# Altium PCB ANALOG_BOARD.PcbDoc
Units mm, origin at the board's own origin, x right, y up, seen from the top; angles counter-clockwise.
Board outline 70.01 x 75.81 mm, 4 copper layers (Top Layer, PWR02, GND03, Bottom Layer), stack 0.603 mm thick; 131 components, 73 nets, 376 pads, 0 vias.
Unrouted connection lines stored in the file: 253.
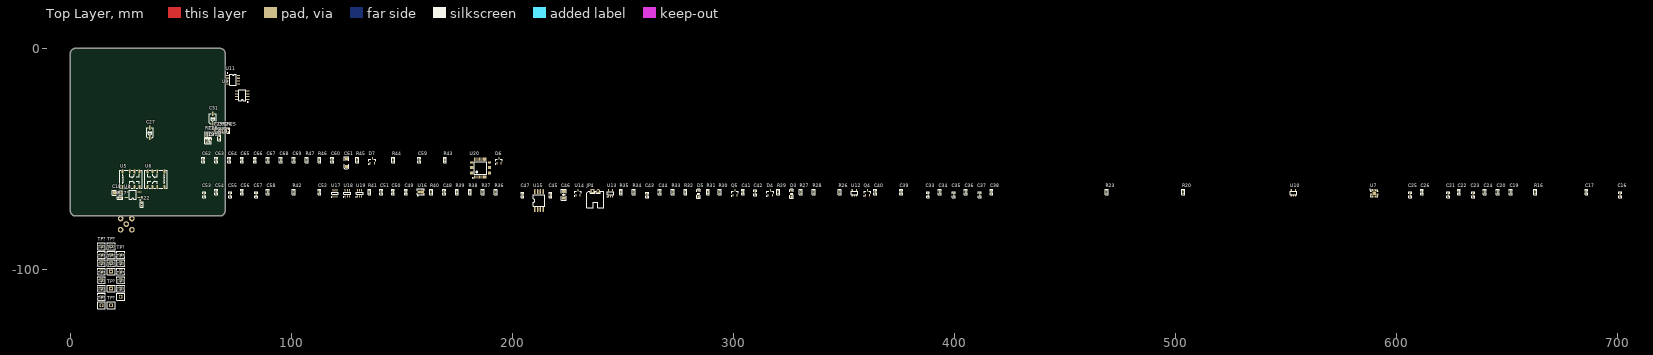
[diagram p0: Top Layer view]
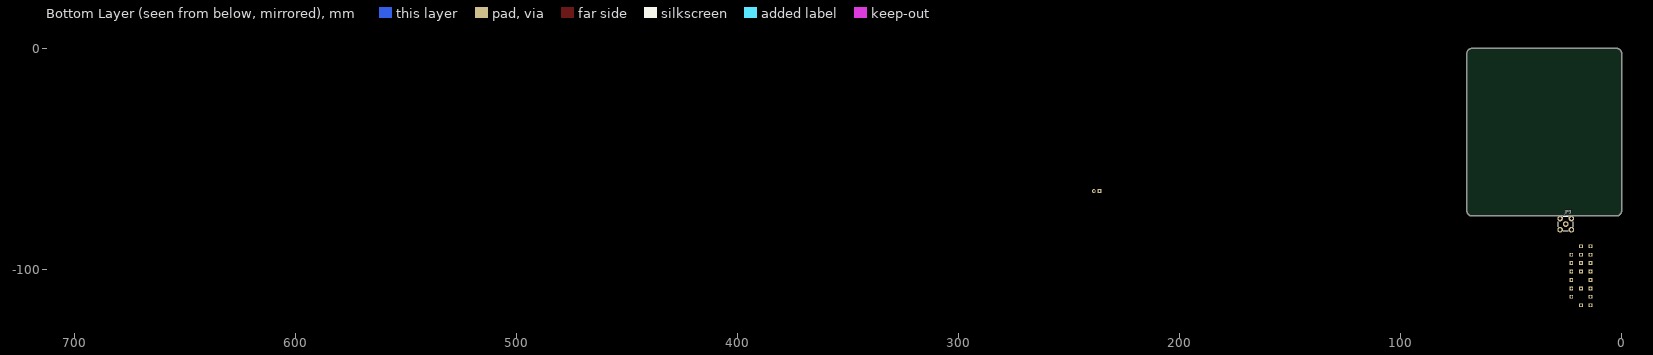
[diagram p1: Bottom Layer view, seen from below]
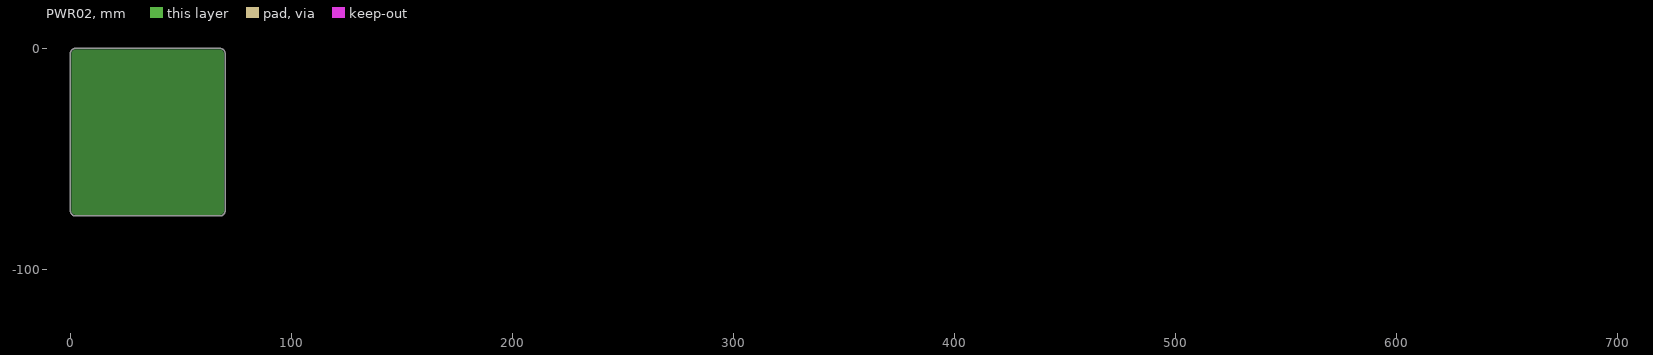
[diagram p2: PWR02, clearances drawn from the general rule]
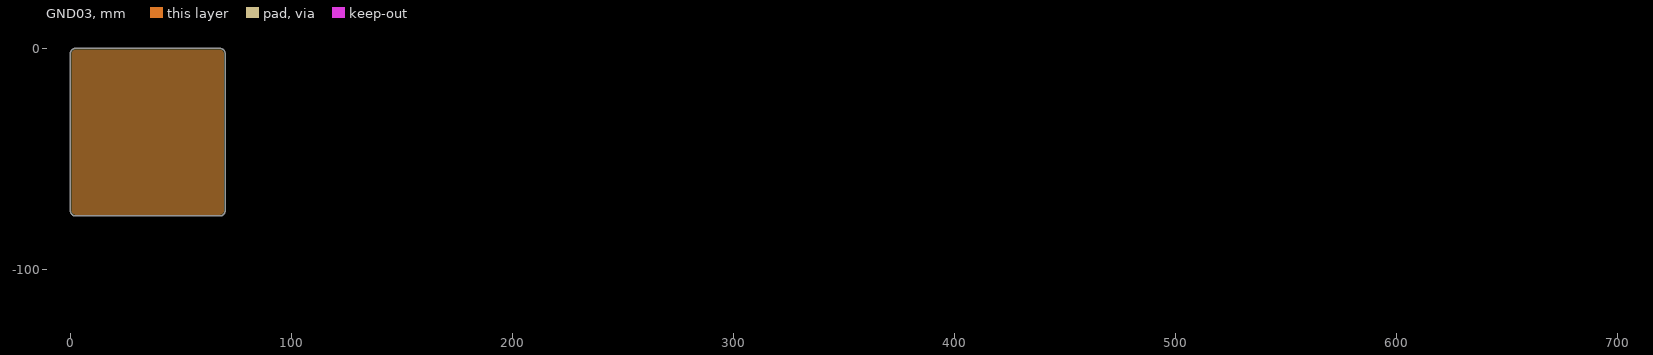
[diagram p3: GND03, clearances drawn from the general rule]

## Layer stack, top to bottom
Top Solder: solder mask 0.0102, Solder Resist, Dk 3.5
Top Layer: signal copper 0.0356
Dielectric 2: prepreg 0.0711, PP-006, Dk 4.1
PWR02: plane copper 0.035, net 5V
Dielectric 1: dielectric 0.32, FR-4, Dk 4.8
GND03: plane copper 0.035, net DGND
Dielectric 3: prepreg 0.0711, PP-006, Dk 4.1
Bottom Layer: signal copper 0.0356
Bottom Solder: solder mask 0.0102, Solder Resist, Dk 3.5

## Board outline
0,-73.514 ccw(c2.29,-73.514) 2.29,-75.804 67.718,-75.802 ccw(c67.719,-73.513) 70.008,-73.514 70.008,-2.286 ccw(c67.718,-2.286) 67.718,0.004 2.29,0 ccw(c2.288,-2.288) 0,-2.286

## Design rules (kind name [scope] priority, off if disabled: settings)
Clearance [All] p1: gap=0.127 ignorepadtopadclearanceinfootprint=FALSE
DiffPairsRouting [All] p1: maxlimit=0.381 minlimit=0.152 mostfreqgap=0.254 toplayer_minwidth=0.152 toplayer_maxwidth=0.381 toplayer_prefwidth=0.152 bottomlayer_minwidth=0.152 bottomlayer_maxwidth=0.381 bottomlayer_prefwidth=0.152 maxuncoupledlength=12.7
PlaneClearance [All] p1: clearance=0.203
PlaneConnect [All] p1: planeconnectstyle=Direct reliefexpansion=0.508 reliefentries=4 reliefconductorwidth=0.254 reliefairgap=0.254
PolygonConnect [All] p1: connectstyle=Direct reliefconductorwidth=0.254 reliefentries=4 polygonreliefangle="90 Angle" airgapwidth=0.254
RoomDefinition ANALOG_PART [InComponentClass('ANALOG_PART')] p1: confinementstyle=ConfineIn formatcopy=TRUE lockcomponents=FALSE outline 59.252,-74.333 716.096,-74.333 716.096,-46.393 59.252,-46.393
RoomDefinition AtoD_PART [InComponentClass('AtoD_PART')] p2: confinementstyle=ConfineIn formatcopy=TRUE lockcomponents=FALSE outline 59.252,-66.205 87.573,-66.205 87.573,-57.188 59.252,-57.188
RoutingVias [All] p1: holewidth=0.3 width=0.5 viastyle="Through Hole" minholewidth=0.3 minwidth=0.5 maxholewidth=0.3 maxwidth=0.5
SolderMaskExpansion [All] p1: expansion=0.102 istentingtop=FALSE
Width [All] p1: maxlimit=1.27 minlimit=0.152 preferedwidth=0.152
27 further rules are at their usual default settings.

## Classes and differential pairs
component class AtoD_PART: C59 C60 C61 C62 C63 C64 C65 C66 C67 C68 C69 D6 D7 R43 R44 R45 R46 R47 TP? U20
component class ANALOG_PART: C16 C17 C18 C19 C20 C21 C22 C23 C24 C25 C26 C27 C28 C29 C30 C31 C32 C33 C34 C35 C36 C37 C38 C39 C40 C41 C42 C43 C44 C45 C46 C47 C48 C49 C50 C51 C52 C53 C54 C55 C56 C57 C58 D3 D4 D5 JP3 JP4 Q4 Q5 R16 R17 R18 R19 R20 R21 R22 R23 R24 R25 R26 R27 R28 R29 R30 R31 R32 R33 R34 R35 R36 R37 R38 R39 R40 R41 R42 TP? U5 U6 U7 U8 U9 U10 U11 U12 U13 U14 U15 U16 U17 U18 U19
differential pair CHA: +CHA_P -CHA_N
differential pair 2CHA: +2CHA_P -2CHA_N

## Components (designator, comment, footprint, x,y, rotation, side; value= is the part's Value field where it differs from the comment)
C16 "22UF" "C 0603_L" 701.237,-66.205 r90 top
C17 "104" "C 0603_L" 685.997,-64.935 r90 top
C18 "22NF" "C 1206_L" 21.333,-65.278 r180 top
C19 "104" "C 0603_L" 651.707,-64.935 r90 top
C20 "0.1uF" "C 0603_L" 645.865,-64.935 r90 top
C21 "22UF" "C 0603_L" 623.513,-66.205 r90 top
C22 "104" "C 0603_L" 628.339,-64.935 r90 top
C23 "22UF" "C 0603_L" 634.689,-66.205 r90 top
C24 "104" "C 0603_L" 640.023,-64.935 r90 top
C25 "22UF" "C 0603_L" 606.241,-66.205 r90 top
C26 "104" "C 0603_L" 611.575,-64.935 r90 top
C27 "2-6P" RC-SMD 35.941,-38.227 r90 top
C28 "15PF" "C 0603_L" 62.992,-38.989 r90 top
C29 "360P" "C 0603_L" 65.374,-37.146 r90 top
C30 "360P" "C 0603_L" 62.992,-41.91 r90 top
C31 "20P" RC-SMD 64.389,-31.885 r90 top
C32 "15PF" "C 0603_L" 67.385,-37.146 r90 top
C33 "22UF" "C 0603_L" 388.055,-66.205 r90 top
C34 "104" "C 0603_L" 393.389,-64.935 r90 top
C35 "22UF" "C 0603_L" 399.739,-66.205 r90 top
C36 "104" "C 0603_L" 405.073,-64.935 r90 top
C37 "22UF" "C 0603_L" 411.423,-66.205 r90 top
C38 "104" "C 0603_L" 416.757,-64.935 r90 top
C39 "0.1uF" "C 0603_L" 375.863,-64.935 r90 top
C40 "0.1uF" "C 0603_L" 364.179,-64.935 r90 top
C41 "0.1uF" "C 0603_L" 304.362,-64.935 r90 top
C42 "22UF" "C 0603_L" 309.95,-65.316 r90 top
C43 "22uF" "C 0603_L" 261.055,-66.332 r90 top
C44 "104" "C 0603_L" 266.643,-64.935 r90 top
C45 "10uF" "C 0603_L" 217.24,-66.332 r90 top
C46 "10uF" "C 1206_L" 223.209,-66.205 r90 top
C47 "47uF" "C 0603_L" 204.54,-66.332 r90 top
C48 "2.2uF" "C 0603_L" 169.107,-64.935 r90 top
C49 "2.2uF" "C 0603_L" 151.835,-64.935 r90 top
C50 "4.7uF" "C 0603_L" 145.993,-64.935 r90 top
C51 "1uF" "C 0603_L" 140.659,-64.935 r90 top
C52 "2.2uF" "C 0603_L" 112.719,-64.935 r90 top
C53 "22uF" "C 0603_L" 60.649,-66.205 r90 top
C54 "0.1uF" "C 0603_L" 65.983,-64.935 r90 top
C55 "22uF" "C 0603_L" 72.333,-66.205 r90 top
C56 "0.1uF" "C 0603_L" 77.667,-64.935 r90 top
C57 "22uF" "C 0603_L" 84.017,-66.205 r90 top
C58 "0.1uF" "C 0603_L" 89.351,-64.935 r90 top
C59 "104" "C 0603_L" 157.804,-50.457 r90 top
C60 "104" "C 0603_L" 118.561,-50.457 r90 top
C61 "10uF/6.3V" "CD A(3216)" 124.911,-51.727 r90 top
C62 "104" "C 0603_L" 60.141,-50.457 r90 top
C63 "104" "C 0603_L" 65.983,-50.457 r90 top
C64 "104" "C 0603_L" 71.825,-50.457 r90 top
C65 "104" "C 0603_L" 77.667,-50.457 r90 top
C66 "104" "C 0603_L" 83.509,-50.457 r90 top
C67 "104" "C 0603_L" 89.351,-50.457 r90 top
C68 "104" "C 0603_L" 95.193,-50.457 r90 top
C69 "104" "C 0603_L" 101.035,-50.457 r90 top
D3 "1N4148" SOD-323 326.333,-65.697 r90 top
D4 "BAV199" SOT23-3L 316.681,-65.316 r0 top
D5 "1N4148" SOD-323 284.169,-65.697 r90 top
D6 "BAV199" SOT23-3L 193.872,-50.838 r0 top
D7 "BAV199" SOT23-3L 136.595,-50.838 r0 top
JP3 "SMA" SMA-KE-LI 25.273,-79.502 r180 bottom
JP4 "HDR-1X2" XH2.54-WI-2P 237.56,-64.554 r0 top
Q4 "SI2302" SOT23-3L 360.623,-65.316 r0 top
Q5 "SI2302" SOT23-3L 300.679,-65.316 r0 top
R16 "1K" "R 0603_L" 662.883,-64.935 r90 top
R17 "75" "R 0603_L" 22.479,-67.691 r180 top
R18 "953K" "R 0603_L" 61.468,-41.91 r270 top
R19 "47K" "R 0603_L" 67.385,-40.457 r90 top
R20 "1K" "R 0603_L" 503.498,-64.935 r90 top
R21 "47K" "R 0603_L" 61.468,-38.989 r270 top
R22 "499" "R 0603_L" 32.258,-70.612 r270 top
R23 "1K" "R 0603_L" 468.954,-64.935 r90 top
R24 "953K" "R 0603_L" 69.396,-37.146 r90 top
R25 "56" "R 0603_L" 71.407,-37.146 r90 top
R26 "1K" "R 0603_L" 348.05,-64.935 r90 top
R27 "4.99K" "R 0603_L" 330.524,-64.935 r90 top
R28 "1K" "R 0603_L" 336.366,-64.935 r90 top
R29 "75" "R 0603_L" 320.364,-64.935 r90 top
R30 "4.99K" "R 0603_L" 293.821,-64.935 r90 top
R31 "4.99K" "R 0603_L" 288.487,-64.935 r90 top
R32 "4.99K" "R 0603_L" 278.327,-64.935 r90 top
R33 "75" "R 0603_L" 272.485,-64.935 r90 top
R34 "1K" "R 0603_L" 254.959,-64.935 r90 top
R35 "1K" "R 0603_L" 249.117,-64.935 r90 top
R36 "1K" "R 0603_L" 192.475,-64.935 r90 top
R37 "1K" "R 0603_L" 186.633,-64.935 r90 top
R38 "100K" "R 0603_L" 180.791,-64.935 r90 top
R39 "1K" "R 0603_L" 174.949,-64.935 r90 top
R40 "150K" "R 0603_L" 163.265,-64.935 r90 top
R41 "100K" "R 0603_L" 135.325,-64.935 r90 top
R42 "100K" "R 0603_L" 101.035,-64.935 r90 top
R43 "1K" "R 0603_L" 169.488,-50.457 r90 top
R44 "1K" "R 0603_L" 146.12,-50.457 r90 top
R45 "1K" "R 0603_L" 129.737,-50.457 r90 top
R46 "1K" "R 0603_L" 112.719,-50.457 r90 top
R47 "1K" "R 0603_L" 106.877,-50.457 r90 top
TP? "TEST TP" "TEST TP1.4_B" 22.733,-104.777 r0 top
TP? "TEST TP" "TEST TP1.4_B" 14.097,-108.587 r0 top
TP? "TEST TP" "TEST TP1.4_B" 18.415,-108.587 r0 top
TP? "TEST TP" "TEST TP1.4_B" 22.733,-100.967 r0 top
TP? "TEST TP" "TEST TP1.4_B" 14.097,-104.777 r0 top
TP? "TEST TP" "TEST TP1.4_B" 14.097,-116.207 r0 top
TP? "TEST TP" "TEST TP1.4_B" 22.733,-112.397 r0 top
TP? "TEST TP" "TEST TP1.4_B" 18.415,-116.207 r0 top
TP? "TEST TP" "TEST TP1.4_B" 22.733,-108.587 r0 top
TP? "TEST TP" "TEST TP1.4_B" 14.097,-112.397 r0 top
TP? "TEST TP" "TEST TP1.4_B" 18.415,-100.967 r0 top
TP? "TEST TP" "TEST TP1.4_B" 14.097,-93.347 r0 top
TP? "TEST TP" "TEST TP1.4_B" 18.415,-93.347 r0 top
TP? "TEST TP" "TEST TP1.4_B" 14.097,-89.537 r0 top
TP? "TEST TP" "TEST TP1.4_B" 18.415,-89.537 r0 top
TP? "TEST TP" "TEST TP1.4_B" 22.733,-97.157 r0 top
TP? "TEST TP" "TEST TP1.4_B" 14.097,-100.967 r0 top
TP? "TEST TP" "TEST TP1.4_B" 18.415,-97.157 r0 top
TP? "TEST TP" "TEST TP1.4_B" 22.733,-93.347 r0 top
TP? "TEST TP" "TEST TP1.4_B" 14.097,-97.157 r0 top
U5 "G6K-2Y-F-5V" G6K-2F-Y 27.432,-59.182 r0 top
U6 "G6K-2Y-F-5V" G6K-2F-Y 38.735,-59.182 r180 top
U7 "AD8330" LFCSP-16 589.985,-65.57 r0 top
U8 "AQY282SX" SOP4_L 28.273,-66.274 r180 top
U9 "AD8132" SOP8_L 77.724,-21.209 r180 top
U10 "AD8061" SOT23-5 552.393,-66.586 r0 top
U11 "AD8131" SOP8_L 73.583,-14.121 r0 top
U12 "TP5531" SOT23-5 353.765,-66.586 r0 top
U13 "SP6201-3.3" SOT23-5L 244.418,-65.57 r0 top
U14 "TL431" SOT23-3L 229.686,-65.316 r0 top
U15 "TLV3502" SOIC-8 210.128,-72.936 r90 top
U16 "LM27762" WSON-12 158.566,-64.935 r0 top
U17 "MCP4725" SOT23-6L 119.704,-65.57 r0 top
U18 "MCP4725" SOT23-6L 125.292,-65.57 r0 top
U19 "MCP4725" SOT23-6L 130.88,-65.57 r0 top
U20 "AD9288BSTZ-100" "TQFP48 7x7_L" 185.617,-54.14 r0 top

## Footprints (in the part's own frame and the unit in brackets; to place one, negate y for a bottom-side part, rotate by r counter-clockwise, add the part's x,y. Pads: shape width x height; smd on the part's side, far side on the other; paste and mask are expansions set on the pad)
"C 0603_L" [mil] "无极性贴片电容"
  rect 30x30 smd: 1(-25.59,0) 2(25.59,0)
  silkscreen extent -51,-26 51,26, body extent -31,-16 31,16, height 32
"C 1206_L" [mil] "无极性贴片电容"
  rect 55x62 smd: 1(-55.12,0) 2(57.09,0)
  silkscreen extent -96,-44 98,44, body extent -63,-32 63,32, height 48
"CD A(3216)" [mm] "长3.2mm，宽1.6mm，厚1.6mm"
  rect 1.2x1.4 smd: 1(-1.7,0) 2(1.7,0)
  silkscreen extent -2.74,-1.02 2.67,1.02, body extent -1.6,-0.8 1.6,0.8, height 1.6
G6K-2F-Y [mm] "10mm*6.5mm*5.2mm( 长*宽*高)"
  rect 0.8x1.8 smd: 1(-3.8,-3.5)
  oval 0.8x1.8 smd: 2(-0.6,-3.5) 3(1.6,-3.5) 4(3.8,-3.5) 5(3.8,3.5) 6(1.6,3.5) 7(-0.6,3.5) 8(-3.8,3.5)
  silkscreen extent -5.08,-4.04 5.03,4.04, body extent -5,-3.9 5,3.9, height 5.45
LFCSP-16 [mm]
  rect 1.5x1.5 smd: 0(0,0)
  rect 0.8x0.3 smd: 1(-1.5,0.75) 2(-1.5,0.248) 3(-1.5,-0.25) 4(-1.5,-0.75) 9(1.5,-0.75) 10(1.5,-0.25) 11(1.5,0.25) 12(1.5,0.75)
  rect 0.3x0.8 smd: 5(-0.75,-1.5) 6(-0.25,-1.5) 7(0.25,-1.5) 8(0.751,-1.498) 13(0.75,1.5) 14(0.25,1.5) 15(-0.25,1.5) 16(-0.75,1.5)
  silkscreen extent -2.03,-1.5 1.5,1.9, body extent -1.48,-1.52 1.52,1.48, height 0.73
"R 0603_L" [mil] "1/10W贴片电阻"
  rect 30x30 smd: 1(-25.59,0) 2(25.59,0)
  silkscreen extent -51,-26 51,26, body extent -31,-16 32,16, height 16
RC-SMD [mm]
  rect 2x0.8 smd: 1(-2.25,0) 2(2.25,0)
  silkscreen extent -2.29,-1.65 2.25,1.65, body extent -2.12,-1.6 2.38,1.6, height 1.5
SMA-KE-LI [mm] "SMA 立式直插射频天线座"
  round 2.6 hole 1.4 unplated: 1(0,0) 2(-2.54,-2.54) 2(2.54,-2.54) 3(-2.54,2.54) 3(2.54,2.54)
  silkscreen extent -3.3,-3.3 3.3,3.3, body extent -3.25,-3.25 3.25,3.25, height 10.35
SOD-323 [mm] "1.8x1.3X0.9mm（长宽高，不包括引脚）"
  rect 1x0.8 smd: 1(-1.4,0)
  oct 1x0.8 smd: 2(1.4,0)
  silkscreen extent -2.11,-0.76 2.11,0.76, body extent -1.34,-0.63 1.31,0.67, height 1
SOIC-8 [mil]
  oval 88x24 smd: 1(0,0) 2(0,-50) 3(0,-100) 4(0,-150) 5(320,-150) 6(320,-100) 7(320,-50) 8(320,0)
  silkscreen extent 60,-180 260,30, body extent -5,-181 325,31, height 91
SOP4_L [mm] "4.4*6.8*2.1mm（长宽高）"
  rect 1.8x0.5 smd: 1(-3,1.25)
  oval 1.8x0.5 smd: 2(-3,-1.25) 3(3,-1.25) 4(3,1.25)
  silkscreen extent -3.51,-2.05 1.57,2.42, body extent -3.4,-2.15 3.4,2.15, height 1.9
SOP8_L [mm] "5*6*1.8mm（长宽高）"
  rect 1.5x0.5 smd: 1(-2.5,1.905)
  oval 1.5x0.5 smd: 2(-2.5,0.635) 3(-2.5,-0.635) 4(-2.5,-1.905) 5(2.5,-1.905) 6(2.5,-0.635) 7(2.5,0.635) 8(2.5,1.905)
  silkscreen extent -2.69,-2.5 1.52,3.2, body extent -3,-2.5 3,2.5, height 1.9
SOT23-3L [mm] "3x1.3x1mm(长宽高)"
  rect 0.45x1 smd: 1(-0.95,-1.143) 2(0.95,-1.143) 3(0,1.125)
  silkscreen extent -1.72,-1.65 1.5,0.7, body extent -1.5,-1.2 1.5,1.2, height 1.05
SOT23-5 [mm]
  rect 0.5x1 smd: 1(0,0) 2(0.95,0) 3(1.9,0) 4(1.9,2.4) 5(0,2.4)
  silkscreen extent -0.55,0.4 2.45,2, body extent -0.5,-0.2 2.4,2.6, height 1.09
SOT23-5L [mm] "3x1.6x1.1mm(长宽高)"
  rect 0.45x1 smd: 1(-0.95,-1.4) 2(0,-1.4) 3(0.95,-1.4) 4(0.95,1.4) 5(-0.95,1.4)
  silkscreen extent -1.6,-1.73 1.5,0.66, body extent -1.5,-1.4 1.5,1.4, height 1.15
SOT23-6L [mm] "3x1.6x1.1mm(长宽高)"
  rect 0.45x1 smd: 1(-0.95,-1.397) 2(0,-1.397) 3(0.95,-1.397) 4(0.95,1.397) 5(0,1.397) 6(-0.95,1.397)
  silkscreen extent -1.77,-1.78 1.55,0.51, body extent -1.5,-1.4 1.5,1.4, height 1.15
"TEST TP1.4_B" [mm] "蓝色，测试环"
  rect 1.7x1.7 hole 1: 1(0,0)
  silkscreen extent -1.78,-1.52 1.78,1.52, body extent -1.67,-1.4 1.67,1.4, height 5.41
"TQFP48 7x7_L" [mm] "48脚，体宽：7x7mm, 脚距：0.5mm"
  oval 0.25x1.5 smd: 1(-2.75,-4.046) 2(-2.25,-4.046) 3(-1.75,-4.046) 4(-1.25,-4.046) 5(-0.75,-4.046) 6(-0.25,-4.046) 7(0.25,-4.046) 8(0.75,-4.046) 9(1.25,-4.046) 10(1.75,-4.046) 11(2.25,-4.046) 12(2.75,-4.046) 25(2.75,4.046) 26(2.25,4.046) 27(1.75,4.046) 28(1.25,4.046) 29(0.75,4.046) 30(0.25,4.046) 31(-0.25,4.046) 32(-0.75,4.046) 33(-1.25,4.046) 34(-1.75,4.046) 35(-2.25,4.046) 36(-2.75,4.046)
  oval 1.5x0.25 smd: 13(4.046,-2.75) 14(4.046,-2.25) 15(4.046,-1.75) 16(4.046,-1.25) 17(4.046,-0.75) 18(4.046,-0.25) 19(4.046,0.25) 20(4.046,0.75) 21(4.046,1.25) 22(4.046,1.75) 23(4.046,2.25) 24(4.046,2.75) 37(-4.046,2.75) 38(-4.046,2.25) 39(-4.046,1.75) 40(-4.046,1.25) 41(-4.046,0.75) 42(-4.046,0.25) 43(-4.046,-0.25) 44(-4.046,-0.75) 45(-4.046,-1.25) 46(-4.046,-1.75) 47(-4.046,-2.25) 48(-4.046,-2.75)
  silkscreen extent -3.68,-4.57 2.79,2.79, body extent -4.5,-4.5 4.5,4.5, height 1.05
WSON-12 [mil]
  rect 110.2x39.4 smd: 0(0,0)
  rect 11x19.7 smd: 1(-49.21,-37) 2(-29.53,-37) 3(-9.84,-37) 4(9.84,-37) 5(29.53,-37) 6(49.21,-37) 7(49.21,37) 8(29.53,37) 9(9.84,37) 10(-9.84,37) 11(-29.53,37) 12(-49.21,37)
  silkscreen extent -61,-73 61,54, body extent -59,-39 59,39, height 30
XH2.54-WI-2P [mm] "接插件，2P"
  rect 1.7x1.7 hole 0.9: 1(-1.27,0)
  round 1.7 hole 0.9: 2(1.27,0)
  silkscreen extent -3.99,-7.62 3.81,0, body extent -3.77,-7.35 3.77,0.35, height 5.73

## Part data
C16 C21 C23 C25 C33 C35 C37 C42 C43 C45 C47 C53 C55 C57 C61: library part C-CD, "贴片钽电容", BOM名称=贴片钽电容, 学习资源=www.ooocke.com, 版权归属=源创客
C17 C18 C19 C20 C22 C24 C26 C28 C29 C30 C32 C34 C36 C38 C39 C40 C41 C44 C46 C48 C49 C50 C51 C52 C54 C56 C58 C59 C60 C62 C63 C64 C65 C66 C67 C68 C69: library part C, "无极性贴片电容", BOM名称=无极性贴片电容, 学习资源=www.ooocke.com, 版权归属=源创客
C27 C31: library part CP_SMD, "贴片可调电容"
D3 D5: "高速开关二极管", BOM名称=高速开关二极管, 学习资源=www.ooocke.com, 版权归属=源创客
D4 D6 D7: "双肖特基二极管", BOM名称=肖特基二极管, 学习资源=www.ooocke.com, 属性=40V/2A, 版权归属=源创客
JP3: "SMA-2.4G射频天线接口", BOM名称=SMA-2.4G射频天线接口, 学习资源=www.ooocke.com, 版权归属=源创客
JP4: library part "Header 2", "2P接插件", BOM名称=2P接插件, 学习资源=www.ooocke.com, 版权归属=源创客
Q4 Q5: "场效应管"
R16 R17 R18 R19 R20 R21 R22 R23 R24 R25 R26 R27 R28 R29 R30 R31 R32 R33 R34 R35 R36 R37 R38 R39 R40 R41 R42 R43 R44 R45 R46 R47: library part R, "贴片电阻", BOM名称=贴片电阻, 学习资源=www.ooocke.com, 版权归属=源创客
TP? TP? TP? TP? TP? TP? TP? TP? TP? TP? TP? TP? TP? TP? TP? TP? TP? TP? TP? TP?: "测试环", BOM名称=测试环, 学习资源=www.ooocke.com, 版权归属=源创客
U5 U6: "继电器"
U7: "压控放大器"
U8: "光电固态继电器"
U9 U11: "全差分运放", BOM名称=单路精密运放, 学习资源=www.ooocke.com, 版权归属=源创客
U10: "FET输入运放", BOM名称=单路精密运放, 学习资源=www.ooocke.com, 版权归属=源创客
U12: "零漂运放", BOM名称=单路精密运放, 学习资源=www.ooocke.com, 版权归属=源创客
U13: "线性稳压器"
U14: "电压基准芯片"
U15: "高速比较器", BOM名称=单路精密运放, 学习资源=www.ooocke.com, 版权归属=源创客
U16: "DC-DC电源芯片"
U17 U18 U19: "单通道DAC"
U20: "并行双通道高速ADC"

## Nets (pads, with @x,y where several pads share a name; then routed paths per layer and width w, separated by ;. In a path a pad name is that pad's centre, name@x,y a point inside that pad or via, vN(x,y) a via of type N, cw(c..) or ccw(c..) an arc to the next point about the centre after c; other vN are vias at no path point)
1V5REF: C46.1 R32.2 R34.2 R35.2 U11.2 U14.1
2CHA_N: C59.1 D7.3 R44.2 TP?.1@18.415,-97.157 U20.3 U20.10
2CHA_P: C59.2 D6.3 R43.2 TP?.1@14.097,-100.967 U20.2 U20.11
5V: C45.1 C49.2 D3.2 D5.2 JP4.2 U5.1 U6.1 U8.1 U13.1 U13.3 U16.3 U16.8 U16.12
+3: C16.1 C17.1 C19.1 C21.1 C22.2 C23.1 C24.2 C25.1 C26.2 C40.1 C43.1 C44.2 C48.1 C53.1 C54.1 C55.1 C56.1 C57.1 C58.1 C66.2 C67.2 C68.2 C69.2 R34.1 R40.1 R45.1 R46.1 U7.1 U7.4 U7.12 U7.14 U7.16 U9.3 U10.5 U11.3 U12.5 U15.7 U16.11 U17.3 U18.3 U19.3 U20.13 U20.30 U20.31 U20.48
-2V5: C33.2 C34.2 C35.2 C36.2 C37.2 C38.2 C41.1 C42.2 C52.1 R41.1 U9.6 U10.2 U11.6 U12.2 U16.6
CALI_RELAY: D5.1 Q5.3 U5.8
CHA_COMP: R23.1 R39.1 TP?.1@18.415,-116.207 U7.10
CHA_N: R26.2 R44.1 TP?.1@22.733,-112.397 U9.4
CHA_P: R16.2 R43.1 TP?.1@22.733,-108.587 U9.5
CHA_RELAY: D3.1 Q4.3 U6.8
D3V: C47.1 C62.2 C63.2 C64.2 C65.2 U13.5 U20.15 U20.28 U20.33 U20.46
DGND: C45.2 C47.2 C60.1 C61.2 C62.1 C63.1 C64.1 C65.1 R47.1 U13.2 U20.12 U20.16 U20.27 U20.29 U20.32 U20.45
FB+: R38.1 R40.2 U16.2
FB-: R41.2 R42.1 U16.7
GND: C16.2 C17.2 C19.2 C20.1 C21.2 C22.1 C23.2 C24.1 C25.2 C26.1 C30.1 C31.1 C32.1 C33.1 C34.1 C35.1 C36.1 C37.1 C38.1 C39.2 C40.2 C41.2 C42.1 C43.2 C44.1 C46.2 C48.2 C49.1 C50.1 C52.2 C53.2 C54.2 C55.2 C56.2 C57.2 C58.2 C66.1 C67.1 C68.1 C69.1 D4.1 D4.2 D6.1 D6.2 D7.1 D7.2 JP3.2 JP3.3 JP4.1 Q4.2 Q5.2 R21.1 R24.1 R27.2 R31.2 R37.1 R38.2 R42.2 U5.4 U7.0 U7.6 U7.7 U7.9 U7.15 U9.2 U14.3 U15.2 U16.0 U16.1 U16.4 U17.2 U18.2 U19.2
NetC18_1: C18.1 JP3.1 U8.3
NetC18_2: C18.2 R17.2 U5.2
NetC20_2: C20.2 U7.13
NetC27_1: C27.1 C28.1 C30.2 R18.1 R21.2 U6.2
NetC27_2: C27.2 C28.2 R18.2 U6.7
NetC29_1: C29.1 C31.2 C32.2 R19.1 R24.2 U6.4
NetC29_2: C29.2 R19.2 U6.5
NetC39_1: C39.1 U7.8
NetC50_2: C50.2 U16.5
NetC51_1: C51.1 U16.10
NetC51_2: C51.2 U16.9
NetC60_2: C60.2 C61.1 U20.5 U20.6 U20.7
NetD4_3: D4.3 R25.1 TP?.1@18.415,-108.587 U10.3
NetQ4_1: Q4.1 R27.1 R29.1
NetQ5_1: Q5.1 R31.1 R33.1
NetR16_1: R16.1 R20.2 TP?.1@14.097,-112.397 U9.8
NetR17_1: R17.1 U8.4
NetR20_1: R20.1 TP?.1@14.097,-89.537 U7.11
NetR22_1: R22.1
NetR22_2: R22.2 U8.2
NetR23_2: R23.2 R26.1 TP?.1@22.733,-104.777 U9.1
NetR25_2: R25.2 U6.3
NetR28_1: R28.1 U12.3
NetR29_2: R29.2
NetR30_1: R30.1 R32.1 U12.4
NetR33_2: R33.2
NetR35_1: R35.1 R37.2 U14.2
NetR36_2: R36.2 U15.3
NetR39_2: R39.2 U15.4
NetR45_2: R45.2 U20.4
NetR46_2: R46.2 U20.8
NetR47_2: R47.2 U20.9
NetTP?_1: TP?.1@14.097,-104.777 U17.4 U18.4 U19.4
NetU5_3: U5.3 U6.6
NetU17_6: U17.6
NetU18_6: U18.6
NetU19_6: U19.6
NetU20_17: U20.17
NetU20_18: U20.18
NetU20_19: U20.19
NetU20_20: U20.20
NetU20_21: U20.21
NetU20_22: U20.22
NetU20_23: U20.23
NetU20_24: U20.24
NetU20_37: U20.37
NetU20_38: U20.38
NetU20_39: U20.39
NetU20_40: U20.40
NetU20_41: U20.41
NetU20_42: U20.42
NetU20_43: U20.43
NetU20_44: U20.44
OFST_CHA: R30.2 TP?.1@18.415,-89.537 U11.1 U12.1
OFST_CHA_F: R28.2 TP?.1@22.733,-100.967 U19.1
TRIG_VOL: R36.1 U18.1
VGA_CTR: TP?.1@14.097,-116.207 U7.5 U17.1
pads on no net: TP?.1@14.097,-93.347 TP?.1@14.097,-97.157 TP?.1@14.097,-108.587 TP?.1@18.415,-93.347 TP?.1@18.415,-100.967 TP?.1@22.733,-93.347 TP?.1@22.733,-97.157 U5.5 U5.6 U5.7 U7.2 U7.3 U9.7 U10.1 U10.4 U11.4 U11.5 U11.7 U11.8 U13.4 U15.1 U15.5 U15.6 U15.8 U17.5 U18.5 U19.5 U20.1 U20.14 U20.25 U20.26 U20.34 U20.35 U20.36 U20.47

## Polygon pours and split planes (outlines as drawn)
5V on PWR02 (split plane): 67.893,-0.513 68.065,-0.539 68.235,-0.582 68.4,-0.64 68.558,-0.715 68.708,-0.805 68.848,-0.909 68.977,-1.027 69.095,-1.156 69.199,-1.296 69.289,-1.446 69.364,-1.604 69.422,-1.769 69.465,-1.939 69.491,-2.111 69.498,-2.272 69.497,-2.286 69.497,-73.514 69.498,-73.528 69.491,-73.688 69.465,-73.861 69.422,-74.03 69.364,-74.195 69.289,-74.352 69.199,-74.502 69.095,-74.643 68.978,-74.772 68.848,-74.889 68.708,-74.994 68.558,-75.083 68.4,-75.158 68.236,-75.217 68.066,-75.259 67.893,-75.285 67.732,-75.293 67.718,-75.292 2.29,-75.293 2.276,-75.294 2.115,-75.287 1.943,-75.261 1.773,-75.218 1.608,-75.16 1.45,-75.085 1.3,-74.995 1.16,-74.891 1.031,-74.773 0.913,-74.644 0.809,-74.504 0.719,-74.354 0.644,-74.196 0.586,-74.031 0.543,-73.861 0.517,-73.689 0.51,-73.528 0.511,-73.514 0.511,-2.286 0.51,-2.273 0.517,-2.113 0.543,-1.941 0.585,-1.771 0.644,-1.607 0.719,-1.449 0.809,-1.299 0.913,-1.159 1.03,-1.03 1.159,-0.912 1.3,-0.808 1.449,-0.719 1.607,-0.644 1.772,-0.585 1.941,-0.543 2.114,-0.517 2.275,-0.509 2.29,-0.51 67.718,-0.507 67.732,-0.506
DGND on GND03 (split plane): 67.893,-0.513 68.065,-0.539 68.235,-0.582 68.4,-0.64 68.558,-0.715 68.708,-0.805 68.848,-0.909 68.977,-1.027 69.095,-1.156 69.199,-1.296 69.289,-1.446 69.364,-1.604 69.422,-1.769 69.465,-1.939 69.491,-2.111 69.498,-2.272 69.497,-2.286 69.497,-73.514 69.498,-73.528 69.491,-73.688 69.465,-73.861 69.422,-74.03 69.364,-74.195 69.289,-74.352 69.199,-74.502 69.095,-74.643 68.978,-74.772 68.848,-74.889 68.708,-74.994 68.558,-75.083 68.4,-75.158 68.236,-75.217 68.066,-75.259 67.893,-75.285 67.732,-75.293 67.718,-75.292 2.29,-75.293 2.276,-75.294 2.115,-75.287 1.943,-75.261 1.773,-75.218 1.608,-75.16 1.45,-75.085 1.3,-74.995 1.16,-74.891 1.031,-74.773 0.913,-74.644 0.809,-74.504 0.719,-74.354 0.644,-74.196 0.586,-74.031 0.543,-73.861 0.517,-73.689 0.51,-73.528 0.511,-73.514 0.511,-2.286 0.51,-2.273 0.517,-2.113 0.543,-1.941 0.585,-1.771 0.644,-1.607 0.719,-1.449 0.809,-1.299 0.913,-1.159 1.03,-1.03 1.159,-0.912 1.3,-0.808 1.449,-0.719 1.607,-0.644 1.772,-0.585 1.941,-0.543 2.114,-0.517 2.275,-0.509 2.29,-0.51 67.718,-0.507 67.732,-0.506

## Silkscreen, mask and mechanical layers (free items; w line width, h text height)
Mechanical 1:
  the board outline again, w0.254